# Altium PCB top_LM358.PcbDoc (part 2 of 6) (continued)
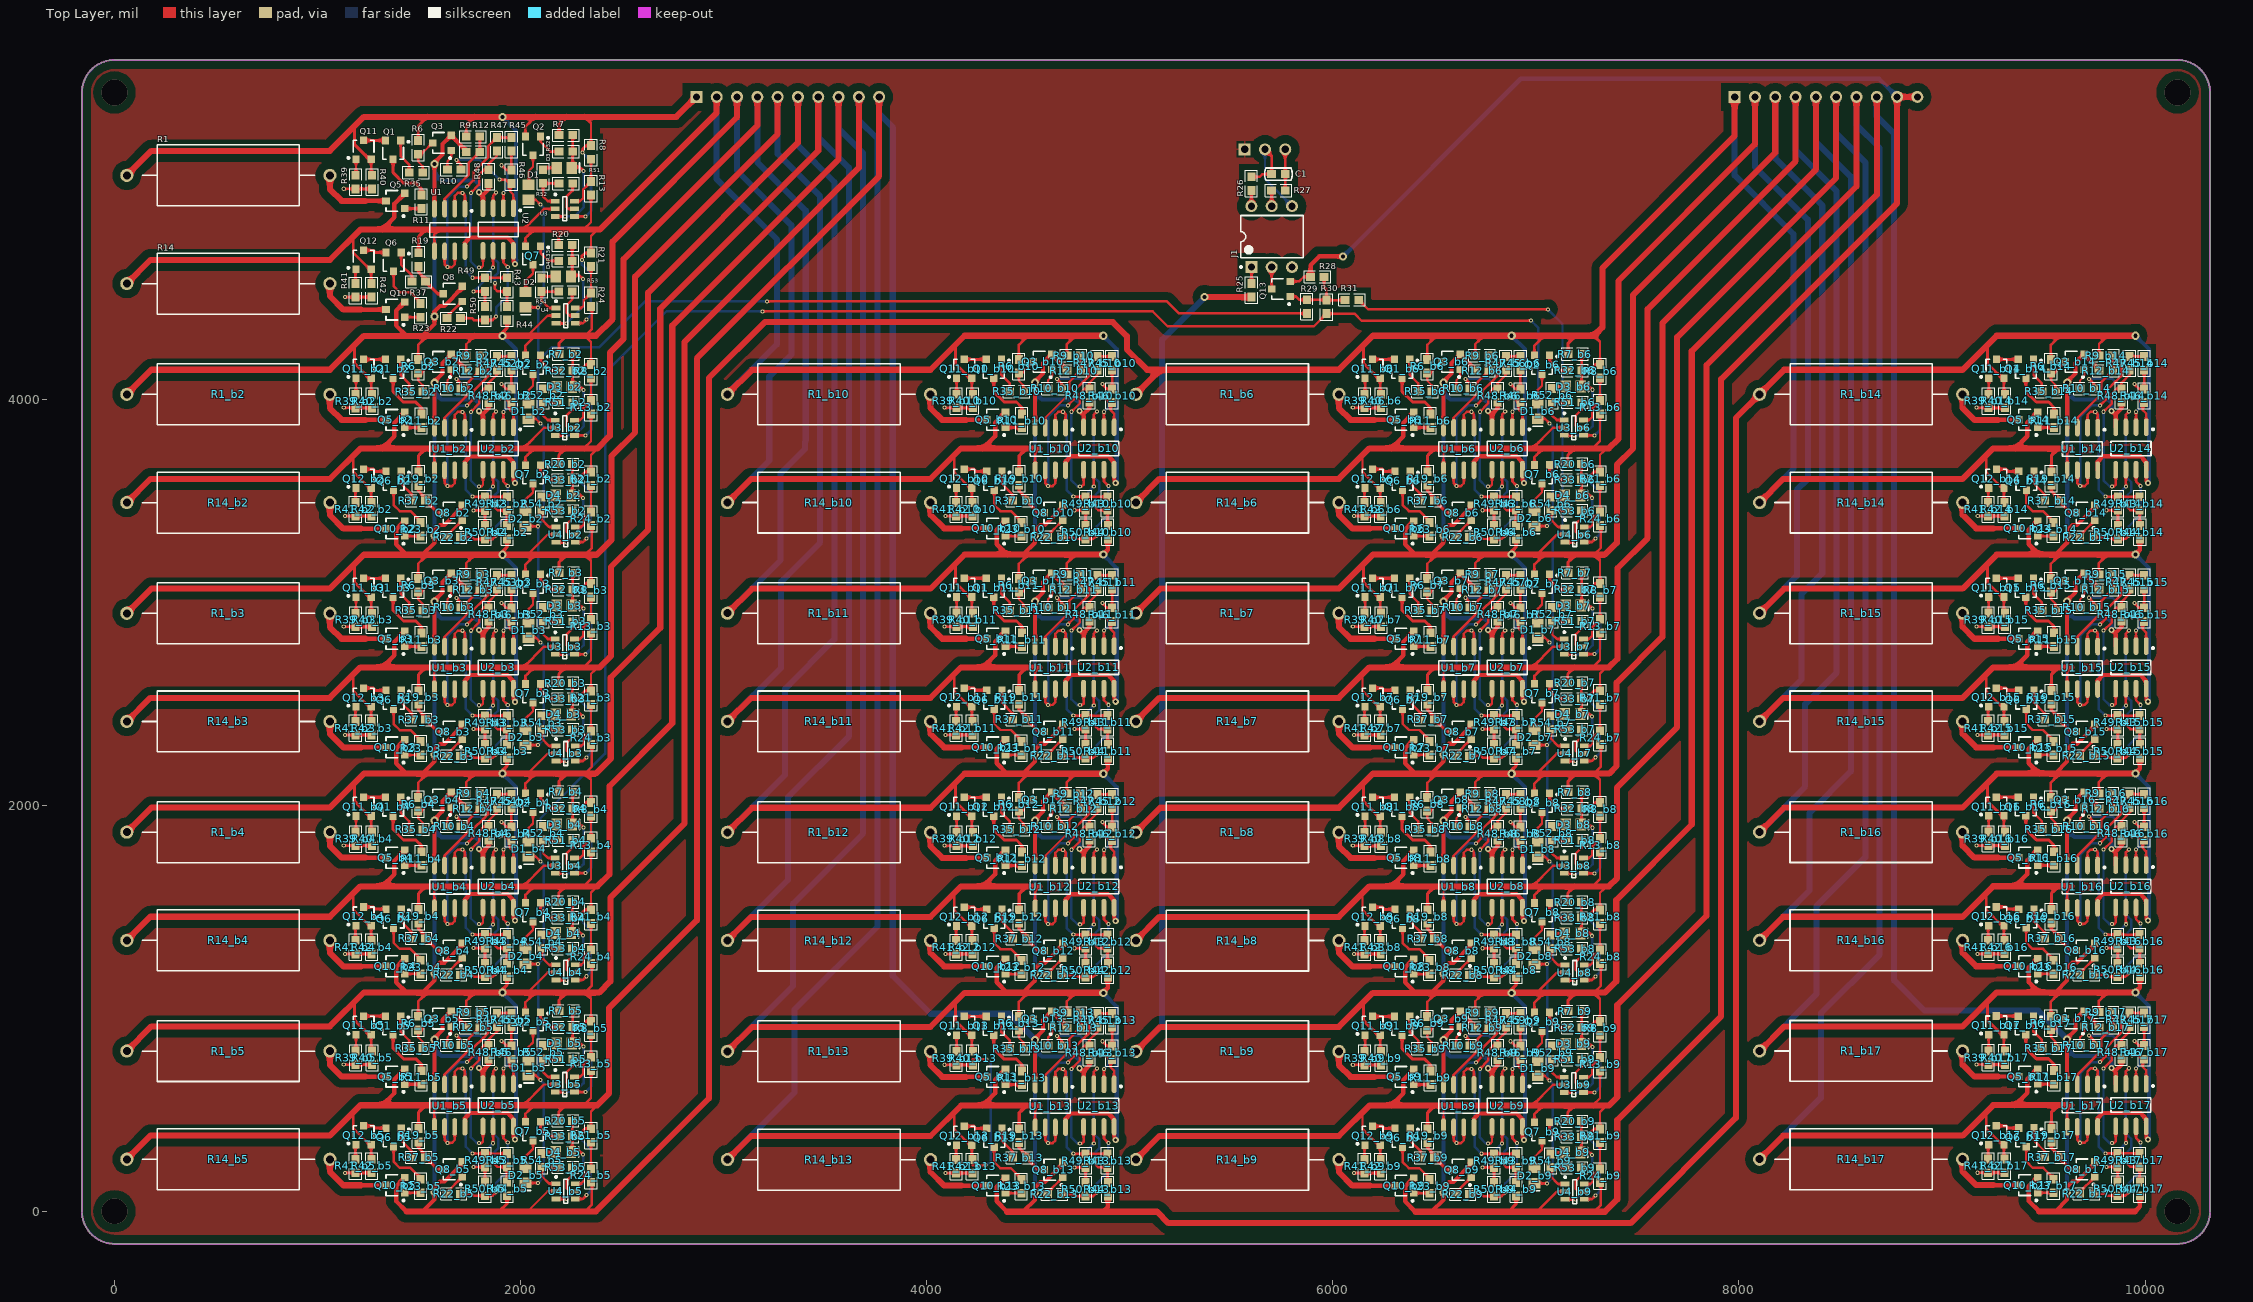
[diagram p0: Top Layer view]
## Part data (continued)
U1 U1_b2 U1_b3 U1_b4 U1_b5 U1_b6 U1_b7 U1_b8 U1_b9 U1_b10 U1_b11 U1_b12 U1_b13 U1_b14 U1_b15 U1_b16 U1_b17 U2 U2_b2 U2_b3 U2_b4 U2_b5 U2_b6 U2_b7 U2_b8 U2_b9 U2_b10 U2_b11 U2_b12 U2_b13 U2_b14 U2_b15 U2_b16 U2_b17: "双运放"
U3 U3_b2 U3_b3 U3_b4 U3_b5 U3_b6 U3_b7 U3_b8 U3_b9 U4 U4_b2 U4_b3 U4_b4 U4_b5 U4_b6 U4_b7 U4_b8 U4_b9: "单运放带基准电压源"

## Via types
v1: diameter 20, hole 10, Top Layer to Bottom Layer, 402 vias
v2: diameter 40, hole 20, Top Layer to Bottom Layer, 53 vias
v3: diameter 30, hole 15, Top Layer to Bottom Layer, 34 vias
v4: diameter 125.98, hole 125.98, Top Layer to Bottom Layer, 4 vias

## Nets (pads, with @x,y where several pads share a name; then routed paths per layer and width w, separated by ;. In a path a pad name is that pad's centre, name@x,y a point inside that pad or via, vN(x,y) a via of type N, cw(c..) or ccw(c..) an arc to the next point about the centre after c; other vN are vias at no path point)
ALARM: C1.1 P5.3 R27.2 | length 202.5
  Top Layer w12: R27.2@5765.46,5027 C1.1@5765.46,5108 P5.3@5765.46,5229.46
C-: C1.2 J1.4 P5.2 R26.2 | length 575.7
  Top Layer w12: R26.2@5599,5094.46 5640.46,5094.46 5654,5108 C1.2@5698.54,5108 5698.54,5197.46 P5.2@5666,5230
  Bottom Layer w12: P5.2@5666,5230 5666,5083 J1.4@5799,4950
G1_VC1_BUF: R43.1 R49.1 U1.1 U1.2 | length 798.4
  Top Layer w12: U1.2@1675.82,4937.07 1675.82,5000.58 1690.82,5015.58 v1(1713.82,5015.58) 1725.82,5003.58 U1.1@1725.82,4937.07 ; v1@1764.36,4597.05 R49.1@1824.82,4597.05 R43.1@1932.82,4597.05
  Bottom Layer w12: v1(1713.82,5015.58) 1730.82,4998.58 1730.82,4630.58 v1(1763.82,4597.58)
G1_VC1_BUF_b2: R43_b2.1 R49_b2.1 U1_b2.1 U1_b2.2 | length 798.4
  Top Layer w12: U1_b2.2@1675.82,3858.75 1675.82,3922.26 1690.82,3937.26 v1(1713.82,3937.26) 1725.82,3925.26 U1_b2.1@1725.82,3858.75 ; v1@1764.36,3518.72 R49_b2.1@1824.82,3518.72 R43_b2.1@1932.82,3518.72
  Bottom Layer w12: v1(1713.82,3937.26) 1730.82,3920.26 1730.82,3552.26 v1(1763.82,3519.26)
G1_VC1_BUF_b3: R43_b3.1 R49_b3.1 U1_b3.1 U1_b3.2 | length 798.4
  Top Layer w12: U1_b3.2@1675.82,2780.75 1675.82,2844.26 1690.82,2859.26 v1(1713.82,2859.26) 1725.82,2847.26 U1_b3.1@1725.82,2780.75 ; v1@1764.36,2440.72 R49_b3.1@1824.82,2440.72 R43_b3.1@1932.82,2440.72
  Bottom Layer w12: v1(1713.82,2859.26) 1730.82,2842.26 1730.82,2474.26 v1(1763.82,2441.26)
G1_VC1_BUF_b4: R43_b4.1 R49_b4.1 U1_b4.1 U1_b4.2 | length 798.4
  Top Layer w12: U1_b4.2@1675.82,1702.75 1675.82,1766.26 1690.82,1781.26 v1(1713.82,1781.26) 1725.82,1769.26 U1_b4.1@1725.82,1702.75 ; v1@1764.36,1362.72 R49_b4.1@1824.82,1362.72 R43_b4.1@1932.82,1362.72
  Bottom Layer w12: v1(1713.82,1781.26) 1730.82,1764.26 1730.82,1396.26 v1(1763.82,1363.26)
G1_VC1_BUF_b5: R43_b5.1 R49_b5.1 U1_b5.1 U1_b5.2 | length 798.4
  Top Layer w12: U1_b5.2@1675.82,624.75 1675.82,688.26 1690.82,703.26 v1(1713.82,703.26) 1725.82,691.26 U1_b5.1@1725.82,624.75 ; v1@1764.36,284.72 R49_b5.1@1824.82,284.72 R43_b5.1@1932.82,284.72
  Bottom Layer w12: v1(1713.82,703.26) 1730.82,686.26 1730.82,318.26 v1(1763.82,285.26)
G1_VC1_BUF_b6: R43_b6.1 R49_b6.1 U1_b6.1 U1_b6.2 | length 798.4
  Top Layer w12: U1_b6.2@6645.08,3859.07 6645.08,3922.58 6660.08,3937.58 v1(6683.08,3937.58) 6695.08,3925.58 U1_b6.1@6695.08,3859.07 ; v1@6733.61,3519.05 R49_b6.1@6794.08,3519.05 R43_b6.1@6902.08,3519.05
  Bottom Layer w12: v1(6683.08,3937.58) 6700.08,3920.58 6700.08,3552.58 v1(6733.08,3519.58)
G1_VC1_BUF_b7: R43_b7.1 R49_b7.1 U1_b7.1 U1_b7.2 | length 798.4
  Top Layer w12: U1_b7.2@6645.08,2781.07 6645.08,2844.58 6660.08,2859.58 v1(6683.08,2859.58) 6695.08,2847.58 U1_b7.1@6695.08,2781.07 ; v1@6733.61,2441.05 R49_b7.1@6794.08,2441.05 R43_b7.1@6902.08,2441.05
  Bottom Layer w12: v1(6683.08,2859.58) 6700.08,2842.58 6700.08,2474.58 v1(6733.08,2441.58)
G1_VC1_BUF_b8: R43_b8.1 R49_b8.1 U1_b8.1 U1_b8.2 | length 798.4
  Top Layer w12: U1_b8.2@6645.08,1702.07 6645.08,1765.58 6660.08,1780.58 v1(6683.08,1780.58) 6695.08,1768.58 U1_b8.1@6695.08,1702.07 ; v1@6733.61,1362.05 R49_b8.1@6794.08,1362.05 R43_b8.1@6902.08,1362.05
  Bottom Layer w12: v1(6683.08,1780.58) 6700.08,1763.58 6700.08,1395.58 v1(6733.08,1362.58)
G1_VC1_BUF_b9: R43_b9.1 R49_b9.1 U1_b9.1 U1_b9.2 | length 798.4
  Top Layer w12: U1_b9.2@6645.08,623.07 6645.08,686.58 6660.08,701.58 v1(6683.08,701.58) 6695.08,689.58 U1_b9.1@6695.08,623.07 ; v1@6733.61,283.05 R49_b9.1@6794.08,283.05 R43_b9.1@6902.08,283.05
  Bottom Layer w12: v1(6683.08,701.58) 6700.08,684.58 6700.08,316.58 v1(6733.08,283.58)
G1_VC1_BUF_b10: R43_b10.1 R49_b10.1 U1_b10.1 U1_b10.2 | length 798.4
  Top Layer w12: U1_b10.2@4633.82,3859.07 4633.82,3922.58 4648.82,3937.58 v1(4671.82,3937.58) 4683.82,3925.58 U1_b10.1@4683.82,3859.07 ; v1@4722.36,3519.05 R49_b10.1@4782.82,3519.05 R43_b10.1@4890.82,3519.05
  Bottom Layer w12: v1(4671.82,3937.58) 4688.82,3920.58 4688.82,3552.58 v1(4721.82,3519.58)
G1_VC1_BUF_b11: R43_b11.1 R49_b11.1 U1_b11.1 U1_b11.2 | length 798.4
  Top Layer w12: U1_b11.2@4633.82,2781.07 4633.82,2844.58 4648.82,2859.58 v1(4671.82,2859.58) 4683.82,2847.58 U1_b11.1@4683.82,2781.07 ; v1@4722.36,2441.05 R49_b11.1@4782.82,2441.05 R43_b11.1@4890.82,2441.05
  Bottom Layer w12: v1(4671.82,2859.58) 4688.82,2842.58 4688.82,2474.58 v1(4721.82,2441.58)
G1_VC1_BUF_b12: R43_b12.1 R49_b12.1 U1_b12.1 U1_b12.2 | length 798.4
  Top Layer w12: U1_b12.2@4633.82,1702.07 4633.82,1765.58 4648.82,1780.58 v1(4671.82,1780.58) 4683.82,1768.58 U1_b12.1@4683.82,1702.07 ; v1@4722.36,1362.05 R49_b12.1@4782.82,1362.05 R43_b12.1@4890.82,1362.05
  Bottom Layer w12: v1(4671.82,1780.58) 4688.82,1763.58 4688.82,1395.58 v1(4721.82,1362.58)
G1_VC1_BUF_b13: R43_b13.1 R49_b13.1 U1_b13.1 U1_b13.2 | length 798.4
  Top Layer w12: U1_b13.2@4633.82,623.07 4633.82,686.58 4648.82,701.58 v1(4671.82,701.58) 4683.82,689.58 U1_b13.1@4683.82,623.07 ; v1@4722.36,283.05 R49_b13.1@4782.82,283.05 R43_b13.1@4890.82,283.05
  Bottom Layer w12: v1(4671.82,701.58) 4688.82,684.58 4688.82,316.58 v1(4721.82,283.58)
G1_VC1_BUF_b14: R43_b14.1 R49_b14.1 U1_b14.1 U1_b14.2 | length 798.4
  Top Layer w12: U1_b14.2@9716.82,3859.07 9716.82,3922.58 9731.82,3937.58 v1(9754.82,3937.58) 9766.82,3925.58 U1_b14.1@9766.82,3859.07 ; v1@9805.36,3519.05 R49_b14.1@9865.82,3519.05 R43_b14.1@9973.82,3519.05
  Bottom Layer w12: v1(9754.82,3937.58) 9771.82,3920.58 9771.82,3552.58 v1(9804.82,3519.58)
G1_VC1_BUF_b15: R43_b15.1 R49_b15.1 U1_b15.1 U1_b15.2 | length 798.4
  Top Layer w12: U1_b15.2@9716.57,2781.07 9716.57,2844.58 9731.57,2859.58 v1(9754.57,2859.58) 9766.57,2847.58 U1_b15.1@9766.57,2781.07 ; v1@9805.11,2441.05 R49_b15.1@9865.57,2441.05 R43_b15.1@9973.57,2441.05
  Bottom Layer w12: v1(9754.57,2859.58) 9771.57,2842.58 9771.57,2474.58 v1(9804.57,2441.58)
G1_VC1_BUF_b16: R43_b16.1 R49_b16.1 U1_b16.1 U1_b16.2 | length 798.4
  Top Layer w12: U1_b16.2@9716.57,1703.07 9716.57,1766.58 9731.57,1781.58 v1(9754.57,1781.58) 9766.57,1769.58 U1_b16.1@9766.57,1703.07 ; v1@9805.11,1363.05 R49_b16.1@9865.57,1363.05 R43_b16.1@9973.57,1363.05
  Bottom Layer w12: v1(9754.57,1781.58) 9771.57,1764.58 9771.57,1396.58 v1(9804.57,1363.58)
G1_VC1_BUF_b17: R43_b17.1 R49_b17.1 U1_b17.1 U1_b17.2 | length 798.4
  Top Layer w12: U1_b17.2@9716.57,625.07 9716.57,688.58 9731.57,703.58 v1(9754.57,703.58) 9766.57,691.58 U1_b17.1@9766.57,625.07 ; v1@9805.11,285.05 R49_b17.1@9865.57,285.05 R43_b17.1@9973.57,285.05
  Bottom Layer w12: v1(9754.57,703.58) 9771.57,686.58 9771.57,318.58 v1(9804.57,285.58)
G1_VC1_DISCH: R10.2 R46.2 U2.1 | length 497.4
  Top Layer w12: v1(1683.82,5177.58) 1706.29,5155.12 R10.2@1706.29,5130.58 ; v1(1895.82,5080.58) 1928.36,5080.58 1947.82,5061.12 1947.82,5023.58 1964.82,5006.58 U2.1@1964.82,4939.34
  Bottom Layer w12: v1(1683.82,5177.58) 1798.82,5177.58 v1(1895.82,5080.58)
G1_VC1_DISCH_b2: R10_b2.2 R46_b2.2 U2_b2.1 | length 497.4
  Top Layer w12: v1(1683.82,4099.26) 1706.29,4076.8 R10_b2.2@1706.29,4052.26 ; v1(1895.82,4002.26) 1928.36,4002.26 1947.82,3982.8 1947.82,3945.26 1964.82,3928.26 U2_b2.1@1964.82,3861.02
  Bottom Layer w12: v1(1683.82,4099.26) 1798.82,4099.26 v1(1895.82,4002.26)
G1_VC1_DISCH_b3: R10_b3.2 R46_b3.2 U2_b3.1 | length 497.4
  Top Layer w12: v1(1683.82,3021.26) 1706.29,2998.8 R10_b3.2@1706.29,2974.26 ; v1(1895.82,2924.26) 1928.36,2924.26 1947.82,2904.8 1947.82,2867.26 1964.82,2850.26 U2_b3.1@1964.82,2783.02
  Bottom Layer w12: v1(1683.82,3021.26) 1798.82,3021.26 v1(1895.82,2924.26)
G1_VC1_DISCH_b4: R10_b4.2 R46_b4.2 U2_b4.1 | length 497.4
  Top Layer w12: v1(1683.82,1943.26) 1706.29,1920.8 R10_b4.2@1706.29,1896.26 ; v1(1895.82,1846.26) 1928.36,1846.26 1947.82,1826.8 1947.82,1789.26 1964.82,1772.26 U2_b4.1@1964.82,1705.02
  Bottom Layer w12: v1(1683.82,1943.26) 1798.82,1943.26 v1(1895.82,1846.26)
G1_VC1_DISCH_b5: R10_b5.2 R46_b5.2 U2_b5.1 | length 497.4
  Top Layer w12: v1(1683.82,865.26) 1706.29,842.8 R10_b5.2@1706.29,818.26 ; v1(1895.82,768.26) 1928.36,768.26 1947.82,748.8 1947.82,711.26 1964.82,694.26 U2_b5.1@1964.82,627.02
  Bottom Layer w12: v1(1683.82,865.26) 1798.82,865.26 v1(1895.82,768.26)
G1_VC1_DISCH_b6: R10_b6.2 R46_b6.2 U2_b6.1 | length 497.4
  Top Layer w12: v1(6653.08,4099.58) 6675.54,4077.12 R10_b6.2@6675.54,4052.58 ; v1(6865.08,4002.58) 6897.61,4002.58 6917.08,3983.12 6917.08,3945.58 6934.08,3928.58 U2_b6.1@6934.08,3861.34
  Bottom Layer w12: v1(6653.08,4099.58) 6768.08,4099.58 v1(6865.08,4002.58)
G1_VC1_DISCH_b7: R10_b7.2 R46_b7.2 U2_b7.1 | length 497.4
  Top Layer w12: v1(6653.08,3021.58) 6675.54,2999.12 R10_b7.2@6675.54,2974.58 ; v1(6865.08,2924.58) 6897.61,2924.58 6917.08,2905.12 6917.08,2867.58 6934.08,2850.58 U2_b7.1@6934.08,2783.34
  Bottom Layer w12: v1(6653.08,3021.58) 6768.08,3021.58 v1(6865.08,2924.58)
G1_VC1_DISCH_b8: R10_b8.2 R46_b8.2 U2_b8.1 | length 497.4
  Top Layer w12: v1(6653.08,1942.58) 6675.54,1920.12 R10_b8.2@6675.54,1895.58 ; v1(6865.08,1845.58) 6897.61,1845.58 6917.08,1826.12 6917.08,1788.58 6934.08,1771.58 U2_b8.1@6934.08,1704.34
  Bottom Layer w12: v1(6653.08,1942.58) 6768.08,1942.58 v1(6865.08,1845.58)
G1_VC1_DISCH_b9: R10_b9.2 R46_b9.2 U2_b9.1 | length 497.4
  Top Layer w12: v1(6653.08,863.58) 6675.54,841.12 R10_b9.2@6675.54,816.58 ; v1(6865.08,766.58) 6897.61,766.58 6917.08,747.12 6917.08,709.58 6934.08,692.58 U2_b9.1@6934.08,625.34
  Bottom Layer w12: v1(6653.08,863.58) 6768.08,863.58 v1(6865.08,766.58)
G1_VC1_DISCH_b10: R10_b10.2 R46_b10.2 U2_b10.1 | length 497.4
  Top Layer w12: v1(4641.82,4099.58) 4664.29,4077.12 R10_b10.2@4664.29,4052.58 ; v1(4853.82,4002.58) 4886.36,4002.58 4905.82,3983.12 4905.82,3945.58 4922.82,3928.58 U2_b10.1@4922.82,3861.34
  Bottom Layer w12: v1(4641.82,4099.58) 4756.82,4099.58 v1(4853.82,4002.58)
G1_VC1_DISCH_b11: R10_b11.2 R46_b11.2 U2_b11.1 | length 497.4
  Top Layer w12: v1(4641.82,3021.58) 4664.29,2999.12 R10_b11.2@4664.29,2974.58 ; v1(4853.82,2924.58) 4886.36,2924.58 4905.82,2905.12 4905.82,2867.58 4922.82,2850.58 U2_b11.1@4922.82,2783.34
  Bottom Layer w12: v1(4641.82,3021.58) 4756.82,3021.58 v1(4853.82,2924.58)
G1_VC1_DISCH_b12: R10_b12.2 R46_b12.2 U2_b12.1 | length 497.4
  Top Layer w12: v1(4641.82,1942.58) 4664.29,1920.12 R10_b12.2@4664.29,1895.58 ; v1(4853.82,1845.58) 4886.36,1845.58 4905.82,1826.12 4905.82,1788.58 4922.82,1771.58 U2_b12.1@4922.82,1704.34
  Bottom Layer w12: v1(4641.82,1942.58) 4756.82,1942.58 v1(4853.82,1845.58)
G1_VC1_DISCH_b13: R10_b13.2 R46_b13.2 U2_b13.1 | length 497.4
  Top Layer w12: v1(4641.82,863.58) 4664.29,841.12 R10_b13.2@4664.29,816.58 ; v1(4853.82,766.58) 4886.36,766.58 4905.82,747.12 4905.82,709.58 4922.82,692.58 U2_b13.1@4922.82,625.34
  Bottom Layer w12: v1(4641.82,863.58) 4756.82,863.58 v1(4853.82,766.58)
G1_VC1_DISCH_b14: R10_b14.2 R46_b14.2 U2_b14.1 | length 497.4
  Top Layer w12: v1(9724.82,4099.58) 9747.29,4077.12 R10_b14.2@9747.29,4052.58 ; v1(9936.82,4002.58) 9969.36,4002.58 9988.82,3983.12 9988.82,3945.58 10005.82,3928.58 U2_b14.1@10005.82,3861.34
  Bottom Layer w12: v1(9724.82,4099.58) 9839.82,4099.58 v1(9936.82,4002.58)
G1_VC1_DISCH_b15: R10_b15.2 R46_b15.2 U2_b15.1 | length 497.4
  Top Layer w12: v1(9724.57,3021.58) 9747.04,2999.12 R10_b15.2@9747.04,2974.58 ; v1(9936.57,2924.58) 9969.11,2924.58 9988.57,2905.12 9988.57,2867.58 10005.57,2850.58 U2_b15.1@10005.57,2783.34
  Bottom Layer w12: v1(9724.57,3021.58) 9839.57,3021.58 v1(9936.57,2924.58)
G1_VC1_DISCH_b16: R10_b16.2 R46_b16.2 U2_b16.1 | length 497.4
  Top Layer w12: v1(9724.57,1943.58) 9747.04,1921.12 R10_b16.2@9747.04,1896.58 ; v1(9936.57,1846.58) 9969.11,1846.58 9988.57,1827.12 9988.57,1789.58 10005.57,1772.58 U2_b16.1@10005.57,1705.34
  Bottom Layer w12: v1(9724.57,1943.58) 9839.57,1943.58 v1(9936.57,1846.58)
G1_VC1_DISCH_b17: R10_b17.2 R46_b17.2 U2_b17.1 | length 497.4
  Top Layer w12: v1(9724.57,865.58) 9747.04,843.12 R10_b17.2@9747.04,818.58 ; v1(9936.57,768.58) 9969.11,768.58 9988.57,749.12 9988.57,711.58 10005.57,694.58 U2_b17.1@10005.57,627.34
  Bottom Layer w12: v1(9724.57,865.58) 9839.57,865.58 v1(9936.57,768.58)
G1_VC1_VOL: R9.1 R12.2 U1.3 | length 427.4
  Top Layer w12: U1.3@1625.82,4937.07 1625.82,4986.15 1743.94,5104.27 1743.94,5162.23 R12.2@1799.29,5217.58 R9.1@1799.29,5292.58
G1_VC1_VOL_b2: R9_b2.1 R12_b2.2 U1_b2.3 | length 427.4
  Top Layer w12: U1_b2.3@1625.82,3858.75 1625.82,3907.83 1743.94,4025.95 1743.94,4083.91 R12_b2.2@1799.29,4139.26 R9_b2.1@1799.29,4214.26
G1_VC1_VOL_b3: R9_b3.1 R12_b3.2 U1_b3.3 | length 427.4
  Top Layer w12: U1_b3.3@1625.82,2780.75 1625.82,2829.83 1743.94,2947.95 1743.94,3005.91 R12_b3.2@1799.29,3061.26 R9_b3.1@1799.29,3136.26
G1_VC1_VOL_b4: R9_b4.1 R12_b4.2 U1_b4.3 | length 427.4
  Top Layer w12: U1_b4.3@1625.82,1702.75 1625.82,1751.83 1743.94,1869.95 1743.94,1927.91 R12_b4.2@1799.29,1983.26 R9_b4.1@1799.29,2058.26
G1_VC1_VOL_b5: R9_b5.1 R12_b5.2 U1_b5.3 | length 427.4
  Top Layer w12: U1_b5.3@1625.82,624.75 1625.82,673.83 1743.94,791.95 1743.94,849.91 R12_b5.2@1799.29,905.26 R9_b5.1@1799.29,980.26
G1_VC1_VOL_b6: R9_b6.1 R12_b6.2 U1_b6.3 | length 427.4
  Top Layer w12: U1_b6.3@6595.08,3859.07 6595.08,3908.15 6713.19,4026.27 6713.19,4084.23 R12_b6.2@6768.54,4139.58 R9_b6.1@6768.54,4214.58
G1_VC1_VOL_b7: R9_b7.1 R12_b7.2 U1_b7.3 | length 427.4
  Top Layer w12: U1_b7.3@6595.08,2781.07 6595.08,2830.15 6713.19,2948.27 6713.19,3006.23 R12_b7.2@6768.54,3061.58 R9_b7.1@6768.54,3136.58
G1_VC1_VOL_b8: R9_b8.1 R12_b8.2 U1_b8.3 | length 427.4
  Top Layer w12: U1_b8.3@6595.08,1702.07 6595.08,1751.15 6713.19,1869.27 6713.19,1927.23 R12_b8.2@6768.54,1982.58 R9_b8.1@6768.54,2057.58
G1_VC1_VOL_b9: R9_b9.1 R12_b9.2 U1_b9.3 | length 427.4
  Top Layer w12: U1_b9.3@6595.08,623.07 6595.08,672.15 6713.19,790.27 6713.19,848.23 R12_b9.2@6768.54,903.58 R9_b9.1@6768.54,978.58
G1_VC1_VOL_b10: R9_b10.1 R12_b10.2 U1_b10.3 | length 427.4
  Top Layer w12: U1_b10.3@4583.82,3859.07 4583.82,3908.15 4701.94,4026.27 4701.94,4084.23 R12_b10.2@4757.29,4139.58 R9_b10.1@4757.29,4214.58
G1_VC1_VOL_b11: R9_b11.1 R12_b11.2 U1_b11.3 | length 427.4
  Top Layer w12: U1_b11.3@4583.82,2781.07 4583.82,2830.15 4701.94,2948.27 4701.94,3006.23 R12_b11.2@4757.29,3061.58 R9_b11.1@4757.29,3136.58
G1_VC1_VOL_b12: R9_b12.1 R12_b12.2 U1_b12.3 | length 427.4
  Top Layer w12: U1_b12.3@4583.82,1702.07 4583.82,1751.15 4701.94,1869.27 4701.94,1927.23 R12_b12.2@4757.29,1982.58 R9_b12.1@4757.29,2057.58
G1_VC1_VOL_b13: R9_b13.1 R12_b13.2 U1_b13.3 | length 427.4
  Top Layer w12: U1_b13.3@4583.82,623.07 4583.82,672.15 4701.94,790.27 4701.94,848.23 R12_b13.2@4757.29,903.58 R9_b13.1@4757.29,978.58
G1_VC1_VOL_b14: R9_b14.1 R12_b14.2 U1_b14.3 | length 427.4
  Top Layer w12: U1_b14.3@9666.82,3859.07 9666.82,3908.15 9784.94,4026.27 9784.94,4084.23 R12_b14.2@9840.29,4139.58 R9_b14.1@9840.29,4214.58
G1_VC1_VOL_b15: R9_b15.1 R12_b15.2 U1_b15.3 | length 427.4
  Top Layer w12: U1_b15.3@9666.57,2781.07 9666.57,2830.15 9784.69,2948.27 9784.69,3006.23 R12_b15.2@9840.04,3061.58 R9_b15.1@9840.04,3136.58
G1_VC1_VOL_b16: R9_b16.1 R12_b16.2 U1_b16.3 | length 427.4
  Top Layer w12: U1_b16.3@9666.57,1703.07 9666.57,1752.15 9784.69,1870.27 9784.69,1928.23 R12_b16.2@9840.04,1983.58 R9_b16.1@9840.04,2058.58
G1_VC1_VOL_b17: R9_b17.1 R12_b17.2 U1_b17.3 | length 427.4
  Top Layer w12: U1_b17.3@9666.57,625.07 9666.57,674.15 9784.69,792.27 9784.69,850.23 R12_b17.2@9840.04,905.58 R9_b17.1@9840.04,980.58
G1_VC2_BUF: R45.1 R47.1 U1.6 U1.7 | length 1025.4
  Top Layer w12: U1.6@1625.82,4728.09 1625.82,4663.58 v1(1639.82,4649.58) 1661.82,4649.58 1675.82,4663.58 U1.7@1675.82,4728.09 ; v1(1736.82,5046.58) 1768.82,5078.58 1768.82,5119.01 1816.51,5166.7 1816.94,5166.7 1840.82,5190.58 1840.82,5246.05 R47.1@1882.82,5288.05 R45.1@1954.82,5288.05
  Bottom Layer w12: v1(1639.82,4649.58) 1639.82,4989.58 1696.82,5046.58 v1(1736.82,5046.58)
G1_VC2_BUF_b2: R45_b2.1 R47_b2.1 U1_b2.6 U1_b2.7 | length 1025.4
  Top Layer w12: U1_b2.6@1625.82,3649.77 1625.82,3585.26 v1(1639.82,3571.26) 1661.82,3571.26 1675.82,3585.26 U1_b2.7@1675.82,3649.77 ; v1(1736.82,3968.26) 1768.82,4000.26 1768.82,4040.69 1816.51,4088.38 1816.94,4088.38 1840.82,4112.26 1840.82,4167.72 R47_b2.1@1882.82,4209.72 R45_b2.1@1954.82,4209.72
  Bottom Layer w12: v1(1639.82,3571.26) 1639.82,3911.26 1696.82,3968.26 v1(1736.82,3968.26)
G1_VC2_BUF_b3: R45_b3.1 R47_b3.1 U1_b3.6 U1_b3.7 | length 1025.4
  Top Layer w12: U1_b3.6@1625.82,2571.77 1625.82,2507.26 v1(1639.82,2493.26) 1661.82,2493.26 1675.82,2507.26 U1_b3.7@1675.82,2571.77 ; v1(1736.82,2890.26) 1768.82,2922.26 1768.82,2962.69 1816.51,3010.38 1816.94,3010.38 1840.82,3034.26 1840.82,3089.72 R47_b3.1@1882.82,3131.72 R45_b3.1@1954.82,3131.72
  Bottom Layer w12: v1(1639.82,2493.26) 1639.82,2833.26 1696.82,2890.26 v1(1736.82,2890.26)
G1_VC2_BUF_b4: R45_b4.1 R47_b4.1 U1_b4.6 U1_b4.7 | length 1025.4
  Top Layer w12: U1_b4.6@1625.82,1493.77 1625.82,1429.26 v1(1639.82,1415.26) 1661.82,1415.26 1675.82,1429.26 U1_b4.7@1675.82,1493.77 ; v1(1736.82,1812.26) 1768.82,1844.26 1768.82,1884.69 1816.51,1932.38 1816.94,1932.38 1840.82,1956.26 1840.82,2011.72 R47_b4.1@1882.82,2053.72 R45_b4.1@1954.82,2053.72
  Bottom Layer w12: v1(1639.82,1415.26) 1639.82,1755.26 1696.82,1812.26 v1(1736.82,1812.26)
G1_VC2_BUF_b5: R45_b5.1 R47_b5.1 U1_b5.6 U1_b5.7 | length 1025.4
  Top Layer w12: U1_b5.6@1625.82,415.77 1625.82,351.26 v1(1639.82,337.26) 1661.82,337.26 1675.82,351.26 U1_b5.7@1675.82,415.77 ; v1(1736.82,734.26) 1768.82,766.26 1768.82,806.69 1816.51,854.38 1816.94,854.38 1840.82,878.26 1840.82,933.72 R47_b5.1@1882.82,975.72 R45_b5.1@1954.82,975.72
  Bottom Layer w12: v1(1639.82,337.26) 1639.82,677.26 1696.82,734.26 v1(1736.82,734.26)
G1_VC2_BUF_b6: R45_b6.1 R47_b6.1 U1_b6.6 U1_b6.7 | length 1025.4
  Top Layer w12: U1_b6.6@6595.08,3650.09 6595.08,3585.58 v1(6609.08,3571.58) 6631.08,3571.58 6645.08,3585.58 U1_b6.7@6645.08,3650.09 ; v1(6706.08,3968.58) 6738.08,4000.58 6738.08,4041.01 6785.76,4088.7 6786.19,4088.7 6810.08,4112.58 6810.08,4168.05 R47_b6.1@6852.08,4210.05 R45_b6.1@6924.08,4210.05
  Bottom Layer w12: v1(6609.08,3571.58) 6609.08,3911.58 6666.08,3968.58 v1(6706.08,3968.58)
G1_VC2_BUF_b7: R45_b7.1 R47_b7.1 U1_b7.6 U1_b7.7 | length 1025.4
  Top Layer w12: U1_b7.6@6595.08,2572.09 6595.08,2507.58 v1(6609.08,2493.58) 6631.08,2493.58 6645.08,2507.58 U1_b7.7@6645.08,2572.09 ; v1(6706.08,2890.58) 6738.08,2922.58 6738.08,2963.01 6785.76,3010.7 6786.19,3010.7 6810.08,3034.58 6810.08,3090.05 R47_b7.1@6852.08,3132.05 R45_b7.1@6924.08,3132.05
  Bottom Layer w12: v1(6609.08,2493.58) 6609.08,2833.58 6666.08,2890.58 v1(6706.08,2890.58)
G1_VC2_BUF_b8: R45_b8.1 R47_b8.1 U1_b8.6 U1_b8.7 | length 1025.4
  Top Layer w12: U1_b8.6@6595.08,1493.09 6595.08,1428.58 v1(6609.08,1414.58) 6631.08,1414.58 6645.08,1428.58 U1_b8.7@6645.08,1493.09 ; v1(6706.08,1811.58) 6738.08,1843.58 6738.08,1884.01 6785.76,1931.7 6786.19,1931.7 6810.08,1955.58 6810.08,2011.05 R47_b8.1@6852.08,2053.05 R45_b8.1@6924.08,2053.05
  Bottom Layer w12: v1(6609.08,1414.58) 6609.08,1754.58 6666.08,1811.58 v1(6706.08,1811.58)
G1_VC2_BUF_b9: R45_b9.1 R47_b9.1 U1_b9.6 U1_b9.7 | length 1025.4
  Top Layer w12: U1_b9.6@6595.08,414.09 6595.08,349.58 v1(6609.08,335.58) 6631.08,335.58 6645.08,349.58 U1_b9.7@6645.08,414.09 ; v1(6706.08,732.58) 6738.08,764.58 6738.08,805.01 6785.76,852.7 6786.19,852.7 6810.08,876.58 6810.08,932.05 R47_b9.1@6852.08,974.05 R45_b9.1@6924.08,974.05
  Bottom Layer w12: v1(6609.08,335.58) 6609.08,675.58 6666.08,732.58 v1(6706.08,732.58)
G1_VC2_BUF_b10: R45_b10.1 R47_b10.1 U1_b10.6 U1_b10.7 | length 1025.4
  Top Layer w12: U1_b10.6@4583.82,3650.09 4583.82,3585.58 v1(4597.82,3571.58) 4619.82,3571.58 4633.82,3585.58 U1_b10.7@4633.82,3650.09 ; v1(4694.82,3968.58) 4726.82,4000.58 4726.82,4041.01 4774.51,4088.7 4774.94,4088.7 4798.82,4112.58 4798.82,4168.05 R47_b10.1@4840.82,4210.05 R45_b10.1@4912.82,4210.05
  Bottom Layer w12: v1(4597.82,3571.58) 4597.82,3911.58 4654.82,3968.58 v1(4694.82,3968.58)
G1_VC2_BUF_b11: R45_b11.1 R47_b11.1 U1_b11.6 U1_b11.7 | length 1025.4
  Top Layer w12: U1_b11.6@4583.82,2572.09 4583.82,2507.58 v1(4597.82,2493.58) 4619.82,2493.58 4633.82,2507.58 U1_b11.7@4633.82,2572.09 ; v1(4694.82,2890.58) 4726.82,2922.58 4726.82,2963.01 4774.51,3010.7 4774.94,3010.7 4798.82,3034.58 4798.82,3090.05 R47_b11.1@4840.82,3132.05 R45_b11.1@4912.82,3132.05
  Bottom Layer w12: v1(4597.82,2493.58) 4597.82,2833.58 4654.82,2890.58 v1(4694.82,2890.58)
G1_VC2_BUF_b12: R45_b12.1 R47_b12.1 U1_b12.6 U1_b12.7 | length 1025.4
  Top Layer w12: U1_b12.6@4583.82,1493.09 4583.82,1428.58 v1(4597.82,1414.58) 4619.82,1414.58 4633.82,1428.58 U1_b12.7@4633.82,1493.09 ; v1(4694.82,1811.58) 4726.82,1843.58 4726.82,1884.01 4774.51,1931.7 4774.94,1931.7 4798.82,1955.58 4798.82,2011.05 R47_b12.1@4840.82,2053.05 R45_b12.1@4912.82,2053.05
  Bottom Layer w12: v1(4597.82,1414.58) 4597.82,1754.58 4654.82,1811.58 v1(4694.82,1811.58)